# Altium PCB 电解模块主控板SC_V1.1_ZM_20211015.PcbDoc (part 2 of 4)
Units mm, origin at the board's own origin, x right, y up, seen from the top; angles counter-clockwise.
Board outline 150.25 x 100.26 mm, 2 copper layers (Top Layer, Bottom Layer); 223 components, 168 nets, 679 pads, 1966 vias.
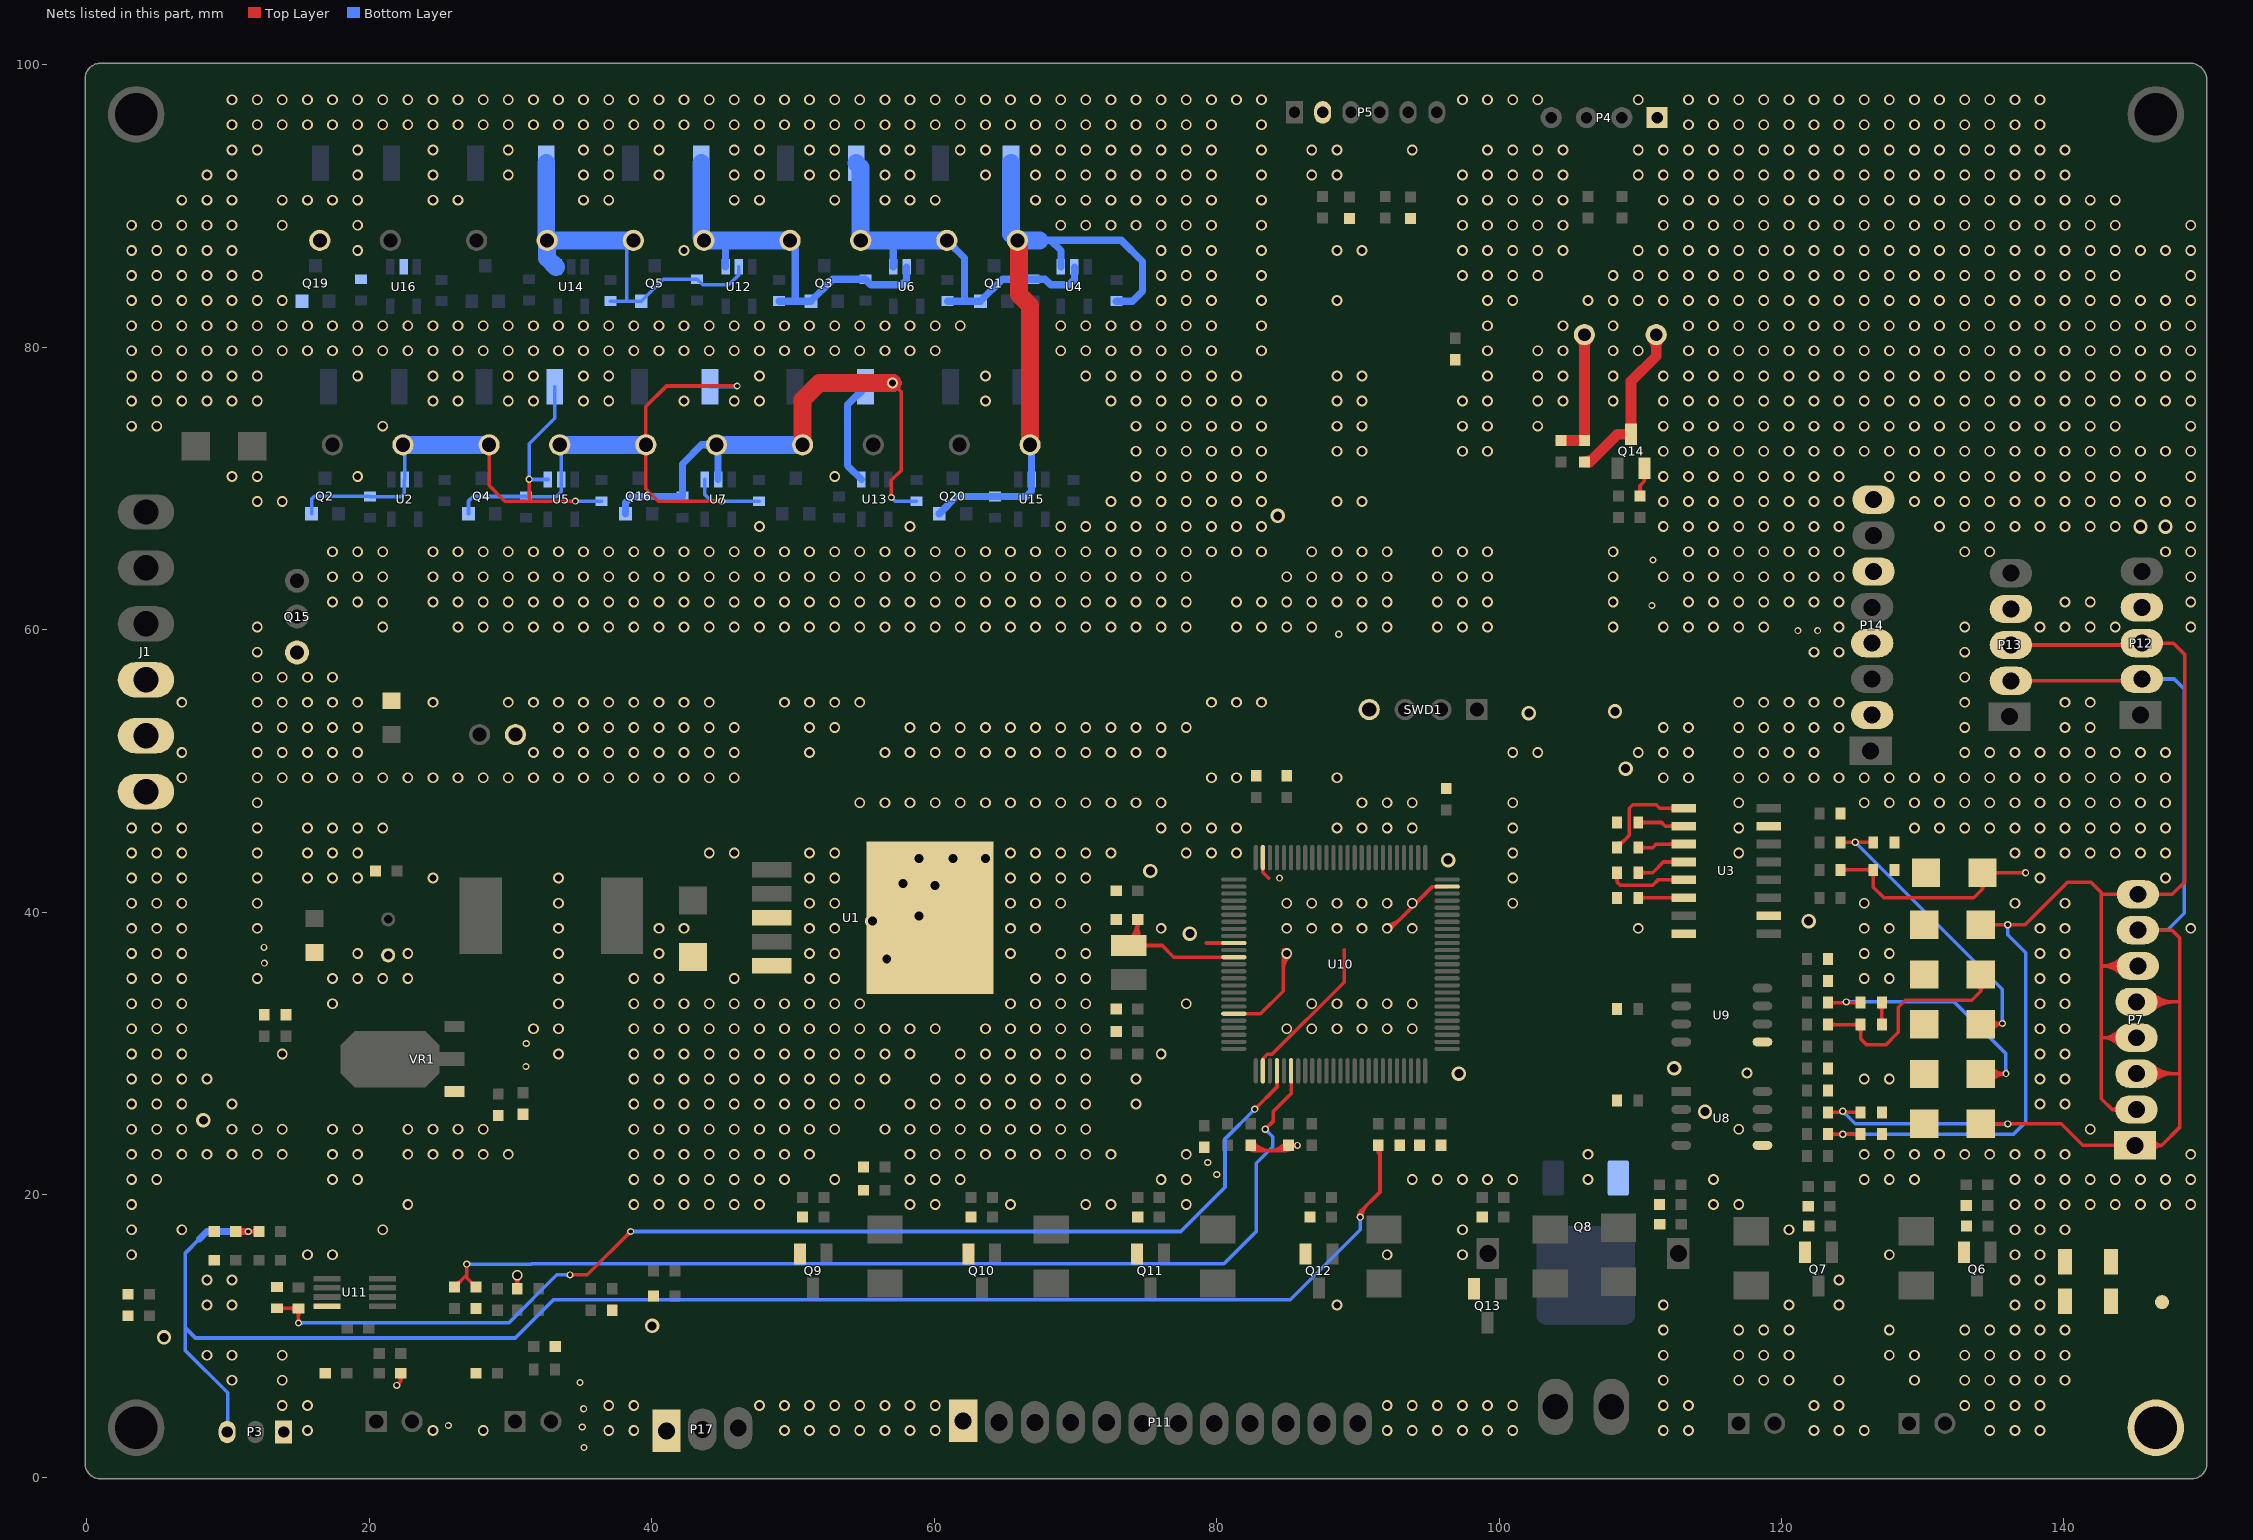
[diagram p2: the nets of this part, all layers, seen from the top]

## Via types
v1: diameter 0.762, hole 0.508, Top Layer to Bottom Layer, tented both sides, 1790 vias
v2: diameter 0.508, hole 0.305, Top Layer to Bottom Layer, tented both sides, 127 vias
v3: diameter 1.016, hole 0.635, Top Layer to Bottom Layer, tented both sides, 39 vias
v4: diameter 1.27, hole 0.762, Top Layer to Bottom Layer, tented both sides, 5 vias
v5: diameter 2.032, hole 1.524, Top Layer to Bottom Layer, tented both sides, 4 vias
v6: diameter 2.54, hole 2.032, Top Layer to Bottom Layer, tented both sides, 1 vias

## Nets (pads, with @x,y where several pads share a name; then routed paths per layer and width w, separated by ;. In a path a pad name is that pad's centre, name@x,y a point inside that pad or via, vN(x,y) a via of type N, cw(c..) or ccw(c..) an arc to the next point about the centre after c; other vN are vias at no path point) (continued)
GND: C1.2 C2.2 C3.1 C4.1 C5.1 C6.1 C8.1 C9.1 C10.1 C12.1 C13.1 C14.1 C15.1 C16.1 C17.1 C22.2 C24.2 C25.2 C27.2 C28.2 C29.2 C30.2 C31.2 C32.1 C33.2 C34.2 C35.2 C36.2 C37.1 C38.1 C39.1 C40.1 C43.2 C45.1 C46.1 C47.1 C50.2 C51.1 C52.1 C55.1 C56.1 C57.1 D3.1 D14.2 D15.2 D16.2 D17.2 D18.2 D19.2 J1.1 J1.2 J1.3 P3.1 P4.1 P5.2 P11.1 P12.4 P13.4 P14.2 P14.4 P14.6 P14.8 P17.1 Q6.2 Q7.2 Q8.2 Q9.2 Q10.2 Q11.2 Q12.2 Q13.2 Q14.2 Q15.1 Q19.2 R22.1 R34.2 R35.2 R36.2 R42.2 R43.2 R44.2 R45.2 R46.2 R59.2 R70.2 R71.2 R72.1 R76.2 R77.2 R79.1 R113.2 SWD1.4 TVS1.1 TVS2.1 TVS3.1 TVS4.1 TVS5.1 TVS6.1 TVS7.1 TVS8.1 TVS9.1 TVS10.1 TVS11.1 TVS12.1 U1.3 U1.5 U1.6 U3.8 U3.10 U3.15 U8.5 U9.5 U10.10 U10.20 U10.27 U10.74 U10.99 U11.4 U16.2 VR1.1 | length 53.5
  Top Layer w0.254: v2(21.946,6.502) 22.225,6.782 ; v2@21.946,6.629 ccw(c21.946,6.936) 22.162,6.719 ccw(c22.379,6.502) v2@22.073,6.502 ; TVS6.1@22.052,7.18 cw(c21.68,6.782) 22.225,6.782 ; TVS6.1@22.225,7.366 22.225,6.782 ; TVS6.1@22.398,7.18 ccw(c22.77,6.782) 22.225,6.782 ; TVS11.1@30.3,13.534 ccw(c29.867,13.967) 30.48,13.967 ccw(c31.093,13.967) TVS11.1@30.66,13.534 ; v1@30.3,14.121 cw(c29.867,13.687) 30.48,13.687 cw(c31.093,13.687) v1@30.66,14.121 ; TVS11.1@30.48,13.335 v1(30.48,14.3) ; 79.272,37.822 U10.10@81.223,37.822 ; U10.20@81.223,32.822 83.114,32.822 84.709,34.417 v1@84.709,37.338 ; C51.1@82.243,23.296 ccw(c82.684,23.737) C51.1@82.684,23.114 ; C51.1@82.423,23.476 ccw(c83.297,24.35) 83.297,23.114 ; C51.1@82.603,23.656 ccw(c83.91,24.963) 83.91,23.114 ; 82.804,23.114 84.709,23.114 C38.1@85.09,23.495 v2(85.725,23.495) ; U10.27@83.273,28.772 83.273,29.629 83.595,29.951 83.926,29.951 89.027,35.052 89.027,37.338 ; U10.99@83.273,43.872 83.273,42.838 83.693,42.418 ; U10.27@83.296,29.522 cw(c83.61,29.522) 83.388,29.744 ; 83.603,23.114 ccw(c83.603,24.963) C38.1@84.91,23.656 ; 84.216,23.114 ccw(c84.216,24.35) C38.1@85.09,23.476 ; 84.709,35.858 cw(c86.189,35.858) v1@85.143,36.904 ; 84.709,36.471 cw(c85.576,36.471) v1(84.963,37.084) ; C38.1@84.829,23.114 ccw(c84.829,23.737) C38.1@85.27,23.296 ; C38.1@85.27,23.315 cw(c85.703,22.882) 85.703,23.495 cw(c85.703,24.108) C38.1@85.27,23.675 ; v2@85.635,23.405 ccw(c85.418,23.188) 85.418,23.495 ccw(c85.418,23.802) v2@85.635,23.585 ; v1(92.075,38.862) ccw(c92.075,39.475) 92.509,39.042 ; v1@92.075,39.116 ccw(c92.075,40.342) 92.942,39.475 ; v1@92.202,38.735 95.289,41.822 U10.74@96.323,41.822 ; R59.2@109.802,69.649 ccw(c109.369,70.082) 109.982,70.082 ccw(c110.595,70.082) R59.2@110.162,69.649 ; R59.2@109.982,69.469 109.982,70.206 110.287,70.51 ; Q14.2@110.108,70.889 cw(c109.797,70.51) 110.287,70.51 ; Q14.2@110.297,71.444 110.287,71.434 110.287,70.51 ; Q14.2@110.473,70.879 ccw(c110.744,70.51) 110.287,70.51 ; C35.2@126.945,32.279 ccw(c126.565,32.66) 127.103,32.66 ccw(c127.641,32.66) C35.2@127.261,32.279 ; C34.2@126.945,33.366 cw(c126.565,32.985) 127.103,32.985 cw(c127.641,32.985) C34.2@127.261,33.366 ; C35.2@127.103,32.046 C34.2@127.103,33.599
  other v1: 15.621,3.302 24.511,3.302 28.067,3.302 36.957,3.302 38.735,3.302 49.403,3.302 51.181,3.302 52.959,3.302 54.737,3.302 56.515,3.302 58.293,3.302 60.071,3.302 92.075,3.302 93.853,3.302 95.631,3.302 97.409,3.302 99.187,3.302 100.965,3.302 111.633,3.302 113.411,3.302 122.301,3.302 124.079,3.302 125.857,3.302 134.747,3.302 136.525,3.302 138.303,3.302 13.843,5.08 15.621,5.08 36.957,5.08 38.735,5.08 47.625,5.08 49.403,5.08 51.181,5.08 52.959,5.08 54.737,5.08 56.515,5.08 58.293,5.08 60.071,5.08 92.075,5.08 93.853,5.08 95.631,5.08 97.409,5.08 99.187,5.08 100.965,5.08 111.633,5.08 113.411,5.08 122.301,5.08 124.079,5.08 132.969,5.08 134.747,5.08 136.525,5.08 138.303,5.08 10.287,6.858 13.843,6.858 111.633,6.858 116.967,6.858 118.745,6.858 120.523,6.858 124.079,6.858 129.413,6.858 132.969,6.858 134.747,6.858 136.525,6.858 138.303,6.858 140.081,6.858 8.509,8.636 10.287,8.636 13.843,8.636 111.633,8.636 116.967,8.636 118.745,8.636 120.523,8.636 127.635,8.636 129.413,8.636 132.969,8.636 134.747,8.636 136.525,8.636 138.303,8.636 140.081,8.636 111.633,10.414 116.967,10.414 118.745,10.414 120.523,10.414 127.635,10.414 132.969,10.414 134.747,10.414 136.525,10.414 138.303,10.414 140.081,10.414 8.509,12.192 10.287,12.192 88.519,12.192 111.633,12.192 120.523,12.192 124.079,12.192 136.525,12.192 138.303,12.192 8.509,13.97 10.287,13.97 124.079,13.97 136.525,13.97 138.303,13.97 3.175,15.748 15.621,15.748 17.399,15.748 92.075,15.748 97.409,15.748 127.635,15.748 136.525,15.748 138.303,15.748 3.175,17.526 6.731,17.526 20.955,17.526 97.409,17.526 120.523,17.526 136.525,17.526 138.303,17.526 140.081,17.526 3.175,19.304 22.733,19.304 38.735,19.304 40.513,19.304 42.291,19.304 44.069,19.304 45.847,19.304 47.625,19.304 58.293,19.304 60.071,19.304 65.405,19.304 70.739,19.304 72.517,19.304 77.851,19.304 115.189,19.304 116.967,19.304 136.525,19.304 138.303,19.304 140.081,19.304 141.859,19.304 143.637,19.304 145.415,19.304 147.193,19.304 148.971,19.304 3.175,21.082 4.953,21.082 17.399,21.082 19.177,21.082 38.735,21.082 40.513,21.082 42.291,21.082 44.069,21.082 45.847,21.082 47.625,21.082 49.403,21.082 52.959,21.082 58.293,21.082 60.071,21.082 61.849,21.082 76.073,21.082 77.851,21.082 93.853,21.082 95.631,21.082 97.409,21.082 99.187,21.082 100.965,21.082 106.299,21.082 115.189,21.082 125.857,21.082 127.635,21.082 129.413,21.082 136.525,21.082 138.303,21.082 140.081,21.082 141.859,21.082 143.637,21.082 145.415,21.082 147.193,21.082 148.971,21.082 3.175,22.86 4.953,22.86 6.731,22.86 8.509,22.86 10.287,22.86 12.065,22.86 13.843,22.86 17.399,22.86 19.177,22.86 22.733,22.86 24.511,22.86 26.289,22.86 28.067,22.86 29.845,22.86 38.735,22.86 40.513,22.86 42.291,22.86 44.069,22.86 45.847,22.86 47.625,22.86 49.403,22.86 51.181,22.86 58.293,22.86 60.071,22.86 61.849,22.86 63.627,22.86 65.405,22.86 67.183,22.86 68.961,22.86 70.739,22.86 72.517,22.86 77.851,22.86 106.299,22.86 125.857,22.86 127.635,22.86 129.413,22.86 131.191,22.86 132.969,22.86 134.747,22.86 136.525,22.86 138.303,22.86 140.081,22.86 148.971,22.86 3.175,24.638 4.953,24.638 6.731,24.638 10.287,24.638 12.065,24.638 13.843,24.638 17.399,24.638 19.177,24.638 22.733,24.638 24.511,24.638 26.289,24.638 28.067,24.638 38.735,24.638 40.513,24.638 42.291,24.638 44.069,24.638 45.847,24.638 47.625,24.638 49.403,24.638 51.181,24.638 52.959,24.638 56.515,24.638 58.293,24.638 60.071,24.638 61.849,24.638 63.627,24.638 65.405,24.638 67.183,24.638 68.961,24.638 70.739,24.638 116.967,24.638 141.859,24.638 3.175,26.416 4.953,26.416 6.731,26.416 10.287,26.416 38.735,26.416 40.513,26.416 42.291,26.416 44.069,26.416 45.847,26.416 47.625,26.416 49.403,26.416 51.181,26.416 52.959,26.416 54.737,26.416 58.293,26.416 60.071,26.416 61.849,26.416 63.627,26.416 65.405,26.416 67.183,26.416 68.961,26.416 70.739,26.416 74.295,26.416 138.303,26.416 140.081,26.416 3.175,28.194 4.953,28.194 6.731,28.194 8.509,28.194 38.735,28.194 40.513,28.194 42.291,28.194 44.069,28.194 45.847,28.194 47.625,28.194 49.403,28.194 51.181,28.194 52.959,28.194 54.737,28.194 56.515,28.194 60.071,28.194 61.849,28.194 63.627,28.194 65.405,28.194 67.183,28.194 68.961,28.194 70.739,28.194 74.295,28.194 125.857,28.194 127.635,28.194 138.303,28.194 140.081,28.194 117.551,28.626 3.175,29.972 4.953,29.972 6.731,29.972 13.843,29.972 33.401,29.972 38.735,29.972 40.513,29.972 42.291,29.972 44.069,29.972 45.847,29.972 47.625,29.972 49.403,29.972 51.181,29.972 52.959,29.972 54.737,29.972 56.515,29.972 58.293,29.972 61.849,29.972 63.627,29.972 65.405,29.972 67.183,29.972 68.961,29.972 70.739,29.972 76.073,29.972 138.303,29.972 140.081,29.972 3.175,31.75 4.953,31.75 6.731,31.75 31.623,31.75 33.401,31.75 38.735,31.75 40.513,31.75 42.291,31.75 44.069,31.75 45.847,31.75 47.625,31.75 49.403,31.75 51.181,31.75 52.959,31.75 54.737,31.75 56.515,31.75 58.293,31.75 60.071,31.75 63.627,31.75 65.405,31.75 67.183,31.75 68.961,31.75 70.739,31.75 84.963,31.75 86.741,31.75 88.519,31.75 90.297,31.75 92.075,31.75 93.853,31.75 138.303,31.75 140.081,31.75 3.175,33.528 4.953,33.528 6.731,33.528 17.399,33.528 33.401,33.528 38.735,33.528 40.513,33.528 42.291,33.528 44.069,33.528 45.847,33.528 47.625,33.528 49.403,33.528 51.181,33.528 52.959,33.528 54.737,33.528 65.405,33.528 67.183,33.528 68.961,33.528 70.739,33.528 77.851,33.528 86.741,33.528 88.519,33.528 90.297,33.528 92.075,33.528 93.853,33.528 138.303,33.528 140.081,33.528 3.175,35.306 4.953,35.306 6.731,35.306 12.065,35.306 17.399,35.306 19.177,35.306 20.955,35.306 22.733,35.306 33.401,35.306 38.735,35.306 40.513,35.306 45.847,35.306 51.181,35.306 52.959,35.306 67.183,35.306 68.961,35.306 70.739,35.306 125.857,35.306 127.635,35.306 138.303,35.306 140.081,35.306 3.175,37.084 4.953,37.084 6.731,37.084 19.177,37.084 22.733,37.084 33.401,37.084 40.513,37.084 51.181,37.084 52.959,37.084 65.405,37.084 68.961,37.084 70.739,37.084 125.857,37.084 127.635,37.084 138.303,37.084 140.081,37.084 3.175,38.862 4.953,38.862 6.731,38.862 12.065,38.862 33.401,38.862 40.513,38.862 42.291,38.862 51.181,38.862 52.959,38.862 65.405,38.862 67.183,38.862 70.739,38.862 76.073,38.862 84.963,38.862 86.741,38.862 88.519,38.862 90.297,38.862 93.853,38.862 109.855,38.862 125.857,38.862 127.635,38.862 138.303,38.862 140.081,38.862 148.971,38.862 3.175,40.64 4.953,40.64 6.731,40.64 12.065,40.64 33.401,40.64 51.181,40.64 52.959,40.64 65.405,40.64 67.183,40.64 68.961,40.64 84.963,40.64 86.741,40.64 88.519,40.64 90.297,40.64 92.075,40.64 93.853,40.64 100.965,40.64 125.857,40.64 136.525,40.64 140.081,40.64 3.175,42.418 4.953,42.418 6.731,42.418 12.065,42.418 15.621,42.418 17.399,42.418 19.177,42.418 24.511,42.418 33.401,42.418 51.181,42.418 52.959,42.418 65.405,42.418 67.183,42.418 68.961,42.418 70.739,42.418 100.965,42.418 138.303,42.418 147.193,42.418 3.175,44.196 4.953,44.196 6.731,44.196 12.065,44.196 15.621,44.196 17.399,44.196 19.177,44.196 44.069,44.196 45.847,44.196 51.181,44.196 52.959,44.196 65.405,44.196 67.183,44.196 68.961,44.196 70.739,44.196 72.517,44.196 77.851,44.196 79.629,44.196 81.407,44.196 100.965,44.196 116.967,44.196 136.525,44.196 138.303,44.196 140.081,44.196 141.859,44.196 143.637,44.196 145.415,44.196 147.193,44.196 3.175,45.974 4.953,45.974 6.731,45.974 12.065,45.974 15.621,45.974 17.399,45.974 19.177,45.974 20.955,45.974 76.073,45.974 77.851,45.974 79.629,45.974 81.407,45.974 88.519,45.974 90.297,45.974 92.075,45.974 93.853,45.974 100.965,45.974 116.967,45.974 129.413,45.974 131.191,45.974 132.969,45.974 134.747,45.974 136.525,45.974 138.303,45.974 140.081,45.974 141.859,45.974 143.637,45.974 145.415,45.974 147.193,45.974 12.065,47.752 54.737,47.752 56.515,47.752 58.293,47.752 60.071,47.752 61.849,47.752 63.627,47.752 65.405,47.752 67.183,47.752 68.961,47.752 70.739,47.752 72.517,47.752 74.295,47.752 76.073,47.752 90.297,47.752 92.075,47.752 93.853,47.752 100.965,47.752 116.967,47.752 125.857,47.752 127.635,47.752 129.413,47.752 131.191,47.752 132.969,47.752 134.747,47.752 136.525,47.752 138.303,47.752 140.081,47.752 141.859,47.752 143.637,47.752 145.415,47.752 147.193,47.752 6.731,49.53 12.065,49.53 13.843,49.53 15.621,49.53 17.399,49.53 19.177,49.53 20.955,49.53 22.733,49.53 24.511,49.53 26.289,49.53 28.067,49.53 29.845,49.53 31.623,49.53 33.401,49.53 35.179,49.53 36.957,49.53 38.735,49.53 40.513,49.53 42.291,49.53 44.069,49.53 45.847,49.53 79.629,49.53 81.407,49.53 88.519,49.53 111.633,49.53 113.411,49.53 116.967,49.53 118.745,49.53 120.523,49.53 122.301,49.53 124.079,49.53 125.857,49.53 127.635,49.53 129.413,49.53 131.191,49.53 132.969,49.53 134.747,49.53 136.525,49.53 138.303,49.53 140.081,49.53 141.859,49.53 143.637,49.53 145.415,49.53 147.193,49.53 6.731,51.308 12.065,51.308 13.843,51.308 15.621,51.308 17.399,51.308 19.177,51.308 31.623,51.308 33.401,51.308 35.179,51.308 36.957,51.308 38.735,51.308 40.513,51.308 42.291,51.308 44.069,51.308 45.847,51.308 51.181,51.308 56.515,51.308 58.293,51.308 60.071,51.308 61.849,51.308 63.627,51.308 65.405,51.308 67.183,51.308 68.961,51.308 70.739,51.308 72.517,51.308 74.295,51.308 76.073,51.308 100.965,51.308 102.743,51.308 109.855,51.308 111.633,51.308 113.411,51.308 116.967,51.308 118.745,51.308 120.523,51.308 122.301,51.308 132.969,51.308 134.747,51.308 136.525,51.308 138.303,51.308 140.081,51.308 141.859,51.308 143.637,51.308 145.415,51.308 147.193,51.308 12.065,53.086 13.843,53.086 15.621,53.086 17.399,53.086 19.177,53.086 33.401,53.086 35.179,53.086 36.957,53.086 38.735,53.086 40.513,53.086 42.291,53.086 44.069,53.086 45.847,53.086 51.181,53.086 52.959,53.086 58.293,53.086 60.071,53.086 61.849,53.086 63.627,53.086 65.405,53.086 67.183,53.086 68.961,53.086 70.739,53.086 72.517,53.086 74.295,53.086 76.073,53.086 77.851,53.086 111.633,53.086 113.411,53.086 116.967,53.086 118.745,53.086 120.523,53.086 122.301,53.086 124.079,53.086 132.969,53.086 140.081,53.086 141.859,53.086 6.731,54.864 12.065,54.864 13.843,54.864 15.621,54.864 17.399,54.864 19.177,54.864 24.511,54.864 29.845,54.864 31.623,54.864 33.401,54.864 35.179,54.864 36.957,54.864 38.735,54.864 40.513,54.864 42.291,54.864 44.069,54.864 49.403,54.864 51.181,54.864 52.959,54.864 54.737,54.864 79.629,54.864 81.407,54.864 83.185,54.864 116.967,54.864 118.745,54.864 120.523,54.864 122.301,54.864 124.079,54.864 132.969,54.864 140.081,54.864 141.859,54.864 12.065,56.642 13.843,56.642 15.621,56.642 17.399,56.642 132.969,56.642 12.065,58.42 122.301,58.42 124.079,58.42 132.969,58.42 12.065,60.198 20.955,60.198 26.289,60.198 28.067,60.198 29.845,60.198 31.623,60.198 33.401,60.198 35.179,60.198 36.957,60.198 38.735,60.198 40.513,60.198 42.291,60.198 44.069,60.198 45.847,60.198 47.625,60.198 49.403,60.198 51.181,60.198 52.959,60.198 54.737,60.198 56.515,60.198 58.293,60.198 60.071,60.198 61.849,60.198 63.627,60.198 65.405,60.198 67.183,60.198 68.961,60.198 70.739,60.198 72.517,60.198 74.295,60.198 76.073,60.198 77.851,60.198 81.407,60.198 83.185,60.198 84.963,60.198 86.741,60.198 90.297,60.198 92.075,60.198 95.631,60.198 97.409,60.198 99.187,60.198 108.077,60.198 111.633,60.198 113.411,60.198 115.189,60.198 116.967,60.198 118.745,60.198 124.079,60.198 132.969,60.198 138.303,60.198 140.081,60.198 141.859,60.198 143.637,60.198 148.971,60.198 17.399,61.976 19.177,61.976 20.955,61.976 24.511,61.976 26.289,61.976 28.067,61.976 29.845,61.976 31.623,61.976 33.401,61.976 35.179,61.976 36.957,61.976 38.735,61.976 40.513,61.976 42.291,61.976 44.069,61.976 45.847,61.976 47.625,61.976 49.403,61.976 51.181,61.976 52.959,61.976 54.737,61.976 56.515,61.976 58.293,61.976 60.071,61.976 61.849,61.976 63.627,61.976 65.405,61.976 67.183,61.976 68.961,61.976 70.739,61.976 72.517,61.976 74.295,61.976 76.073,61.976 77.851,61.976 81.407,61.976 83.185,61.976 84.963,61.976 86.741,61.976 88.519,61.976 90.297,61.976 92.075,61.976 95.631,61.976 97.409,61.976 99.187,61.976 108.077,61.976 113.411,61.976 115.189,61.976 116.967,61.976 118.745,61.976 120.523,61.976 122.301,61.976 124.079,61.976 140.081,61.976 141.859,61.976 148.971,61.976 17.399,63.754 19.177,63.754 20.955,63.754 24.511,63.754 26.289,63.754 28.067,63.754 29.845,63.754 31.623,63.754 33.401,63.754 35.179,63.754 36.957,63.754 38.735,63.754 40.513,63.754 42.291,63.754 44.069,63.754 45.847,63.754 47.625,63.754 49.403,63.754 51.181,63.754 52.959,63.754 54.737,63.754 56.515,63.754 58.293,63.754 60.071,63.754 61.849,63.754 63.627,63.754 65.405,63.754 67.183,63.754 68.961,63.754 70.739,63.754 72.517,63.754 74.295,63.754 76.073,63.754 77.851,63.754 84.963,63.754 86.741,63.754 88.519,63.754 90.297,63.754 92.075,63.754 95.631,63.754 97.409,63.754 99.187,63.754 108.077,63.754 111.633,63.754 113.411,63.754 115.189,63.754 116.967,63.754 118.745,63.754 120.523,63.754 122.301,63.754 124.079,63.754 148.971,63.754 17.399,65.532 19.177,65.532 20.955,65.532 24.511,65.532 26.289,65.532 28.067,65.532 29.845,65.532 31.623,65.532 33.401,65.532 35.179,65.532 36.957,65.532 38.735,65.532 40.513,65.532 42.291,65.532 44.069,65.532 45.847,65.532 47.625,65.532 49.403,65.532 51.181,65.532 52.959,65.532 54.737,65.532 56.515,65.532 58.293,65.532 60.071,65.532 61.849,65.532 63.627,65.532 65.405,65.532 67.183,65.532 68.961,65.532 70.739,65.532 72.517,65.532 74.295,65.532 76.073,65.532 77.851,65.532 79.629,65.532 81.407,65.532 83.185,65.532 86.741,65.532 88.519,65.532 90.297,65.532 92.075,65.532 95.631,65.532 97.409,65.532 99.187,65.532 108.077,65.532 113.411,65.532 115.189,65.532 116.967,65.532 118.745,65.532 120.523,65.532 122.301,65.532 124.079,65.532 132.969,65.532 134.747,65.532 147.193,65.532 148.971,65.532 47.625,67.31 58.293,67.31 68.961,67.31 70.739,67.31 72.517,67.31 74.295,67.31 76.073,67.31 77.851,67.31 79.629,67.31 81.407,67.31 83.185,67.31 111.633,67.31 113.411,67.31 115.189,67.31 116.967,67.31 118.745,67.31 120.523,67.31 122.301,67.31 124.079,67.31 131.191,67.31 132.969,67.31 134.747,67.31 136.525,67.31 138.303,67.31 140.081,67.31 141.859,67.31 143.637,67.31 148.971,67.31 12.065,69.088 13.843,69.088 72.517,69.088 74.295,69.088 76.073,69.088 77.851,69.088 79.629,69.088 81.407,69.088 83.185,69.088 88.519,69.088 90.297,69.088 111.633,69.088 113.411,69.088 115.189,69.088 116.967,69.088 118.745,69.088 120.523,69.088 122.301,69.088 124.079,69.088 129.413,69.088 131.191,69.088 132.969,69.088 134.747,69.088 136.525,69.088 138.303,69.088 140.081,69.088 141.859,69.088 143.637,69.088 145.415,69.088 147.193,69.088 148.971,69.088 10.287,70.866 12.065,70.866 19.177,70.866 52.959,70.866 74.295,70.866 76.073,70.866 77.851,70.866 79.629,70.866 81.407,70.866 83.185,70.866 111.633,70.866 113.411,70.866 115.189,70.866 116.967,70.866 118.745,70.866 120.523,70.866 122.301,70.866 124.079,70.866 127.635,70.866 129.413,70.866 131.191,70.866 132.969,70.866 134.747,70.866 136.525,70.866 138.303,70.866 140.081,70.866 141.859,70.866 143.637,70.866 145.415,70.866 148.971,70.866 74.295,72.644 76.073,72.644 77.851,72.644 79.629,72.644 81.407,72.644 83.185,72.644 88.519,72.644 90.297,72.644 97.409,72.644 99.187,72.644 111.633,72.644 113.411,72.644 115.189,72.644 116.967,72.644 118.745,72.644 120.523,72.644 122.301,72.644 124.079,72.644 125.857,72.644 127.635,72.644 129.413,72.644 131.191,72.644 132.969,72.644 134.747,72.644 136.525,72.644 138.303,72.644 140.081,72.644 141.859,72.644 143.637,72.644 145.415,72.644 147.193,72.644 148.971,72.644 3.175,74.422 4.953,74.422 20.955,74.422 74.295,74.422 76.073,74.422 77.851,74.422 79.629,74.422 81.407,74.422 83.185,74.422 88.519,74.422 90.297,74.422 97.409,74.422 99.187,74.422 102.743,74.422 111.633,74.422 113.411,74.422 115.189,74.422 116.967,74.422 118.745,74.422 120.523,74.422 122.301,74.422 124.079,74.422 125.857,74.422 127.635,74.422 129.413,74.422 131.191,74.422 132.969,74.422 134.747,74.422 136.525,74.422 138.303,74.422 140.081,74.422 141.859,74.422 143.637,74.422 148.971,74.422 3.175,76.2 4.953,76.2 6.731,76.2 8.509,76.2 10.287,76.2 12.065,76.2 24.511,76.2 26.289,76.2 29.845,76.2 31.623,76.2 35.179,76.2 36.957,76.2 42.291,76.2 45.847,76.2 47.625,76.2 63.627,76.2 72.517,76.2 74.295,76.2 76.073,76.2 77.851,76.2 79.629,76.2 81.407,76.2 83.185,76.2 88.519,76.2 90.297,76.2 97.409,76.2 99.187,76.2 102.743,76.2 104.521,76.2 108.077,76.2 111.633,76.2 113.411,76.2 115.189,76.2 116.967,76.2 118.745,76.2 120.523,76.2 122.301,76.2 124.079,76.2 125.857,76.2 127.635,76.2 129.413,76.2 131.191,76.2 132.969,76.2 134.747,76.2 136.525,76.2 138.303,76.2 140.081,76.2 141.859,76.2 143.637,76.2 145.415,76.2 147.193,76.2 148.971,76.2 3.175,77.978 4.953,77.978 6.731,77.978 8.509,77.978 10.287,77.978 12.065,77.978 19.177,77.978 24.511,77.978 26.289,77.978 29.845,77.978 31.623,77.978 35.179,77.978 36.957,77.978 47.625,77.978 63.627,77.978 70.739,77.978 72.517,77.978 74.295,77.978 76.073,77.978 77.851,77.978 79.629,77.978 81.407,77.978 88.519,77.978 90.297,77.978 99.187,77.978 102.743,77.978 104.521,77.978 108.077,77.978 111.633,77.978 113.411,77.978 115.189,77.978 116.967,77.978 118.745,77.978 120.523,77.978 122.301,77.978 124.079,77.978 125.857,77.978 127.635,77.978 129.413,77.978 131.191,77.978 132.969,77.978 134.747,77.978 136.525,77.978 138.303,77.978 140.081,77.978 141.859,77.978 143.637,77.978 145.415,77.978 147.193,77.978 148.971,77.978 3.175,79.756 4.953,79.756 6.731,79.756 8.509,79.756 10.287,79.756 12.065,79.756 13.843,79.756 15.621,79.756 17.399,79.756 19.177,79.756 20.955,79.756 22.733,79.756 24.511,79.756 26.289,79.756 28.067,79.756 29.845,79.756 31.623,79.756 33.401,79.756 35.179,79.756 36.957,79.756 38.735,79.756 40.513,79.756 42.291,79.756 44.069,79.756 45.847,79.756 47.625,79.756 49.403,79.756 51.181,79.756 52.959,79.756 54.737,79.756 56.515,79.756 58.293,79.756 60.071,79.756 68.961,79.756 70.739,79.756 72.517,79.756 74.295,79.756 76.073,79.756 77.851,79.756 79.629,79.756 83.185,79.756 99.187,79.756 102.743,79.756 104.521,79.756 108.077,79.756 109.855,79.756 113.411,79.756 115.189,79.756 116.967,79.756 118.745,79.756 120.523,79.756 122.301,79.756 124.079,79.756 125.857,79.756 127.635,79.756 129.413,79.756 131.191,79.756 132.969,79.756 134.747,79.756 136.525,79.756 138.303,79.756 140.081,79.756 141.859,79.756 143.637,79.756 145.415,79.756 147.193,79.756 148.971,79.756 3.175,81.534 4.953,81.534 6.731,81.534 8.509,81.534 10.287,81.534 12.065,81.534 13.843,81.534 15.621,81.534 17.399,81.534 19.177,81.534 20.955,81.534 22.733,81.534 24.511,81.534 26.289,81.534 28.067,81.534 29.845,81.534 31.623,81.534 33.401,81.534 35.179,81.534 36.957,81.534 38.735,81.534 40.513,81.534 42.291,81.534 44.069,81.534 45.847,81.534 47.625,81.534 49.403,81.534 51.181,81.534 52.959,81.534 54.737,81.534 56.515,81.534 58.293,81.534 60.071,81.534 61.849,81.534 68.961,81.534 70.739,81.534 72.517,81.534 74.295,81.534 76.073,81.534 77.851,81.534 79.629,81.534 83.185,81.534 99.187,81.534 104.521,81.534 108.077,81.534 113.411,81.534 115.189,81.534 116.967,81.534 118.745,81.534 120.523,81.534 122.301,81.534 124.079,81.534 125.857,81.534 127.635,81.534 129.413,81.534 131.191,81.534 132.969,81.534 134.747,81.534 136.525,81.534 138.303,81.534 140.081,81.534 141.859,81.534 143.637,81.534 145.415,81.534 147.193,81.534 148.971,81.534 3.175,83.312 4.953,83.312 6.731,83.312 8.509,83.312 10.287,83.312 12.065,83.312 13.843,83.312 76.073,83.312 77.851,83.312 79.629,83.312 83.185,83.312 88.519,83.312 99.187,83.312 100.965,83.312 106.299,83.312 108.077,83.312 109.855,83.312 111.633,83.312 113.411,83.312 115.189,83.312 116.967,83.312 118.745,83.312 120.523,83.312 122.301,83.312 124.079,83.312 125.857,83.312 127.635,83.312 129.413,83.312 131.191,83.312 132.969,83.312 134.747,83.312 136.525,83.312 138.303,83.312 140.081,83.312 141.859,83.312 143.637,83.312 145.415,83.312 147.193,83.312 148.971,83.312 3.175,85.09 4.953,85.09 6.731,85.09 8.509,85.09 10.287,85.09 12.065,85.09 76.073,85.09 77.851,85.09 79.629,85.09 83.185,85.09 97.409,85.09 99.187,85.09 100.965,85.09 102.743,85.09 108.077,85.09 109.855,85.09 111.633,85.09 113.411,85.09 115.189,85.09 116.967,85.09 118.745,85.09 120.523,85.09 122.301,85.09 124.079,85.09 125.857,85.09 127.635,85.09 129.413,85.09 131.191,85.09 132.969,85.09 134.747,85.09 136.525,85.09 138.303,85.09 140.081,85.09 141.859,85.09 143.637,85.09 148.971,85.09